# KiCad board MiniCamel_V1.01.kicad_pcb (continued)
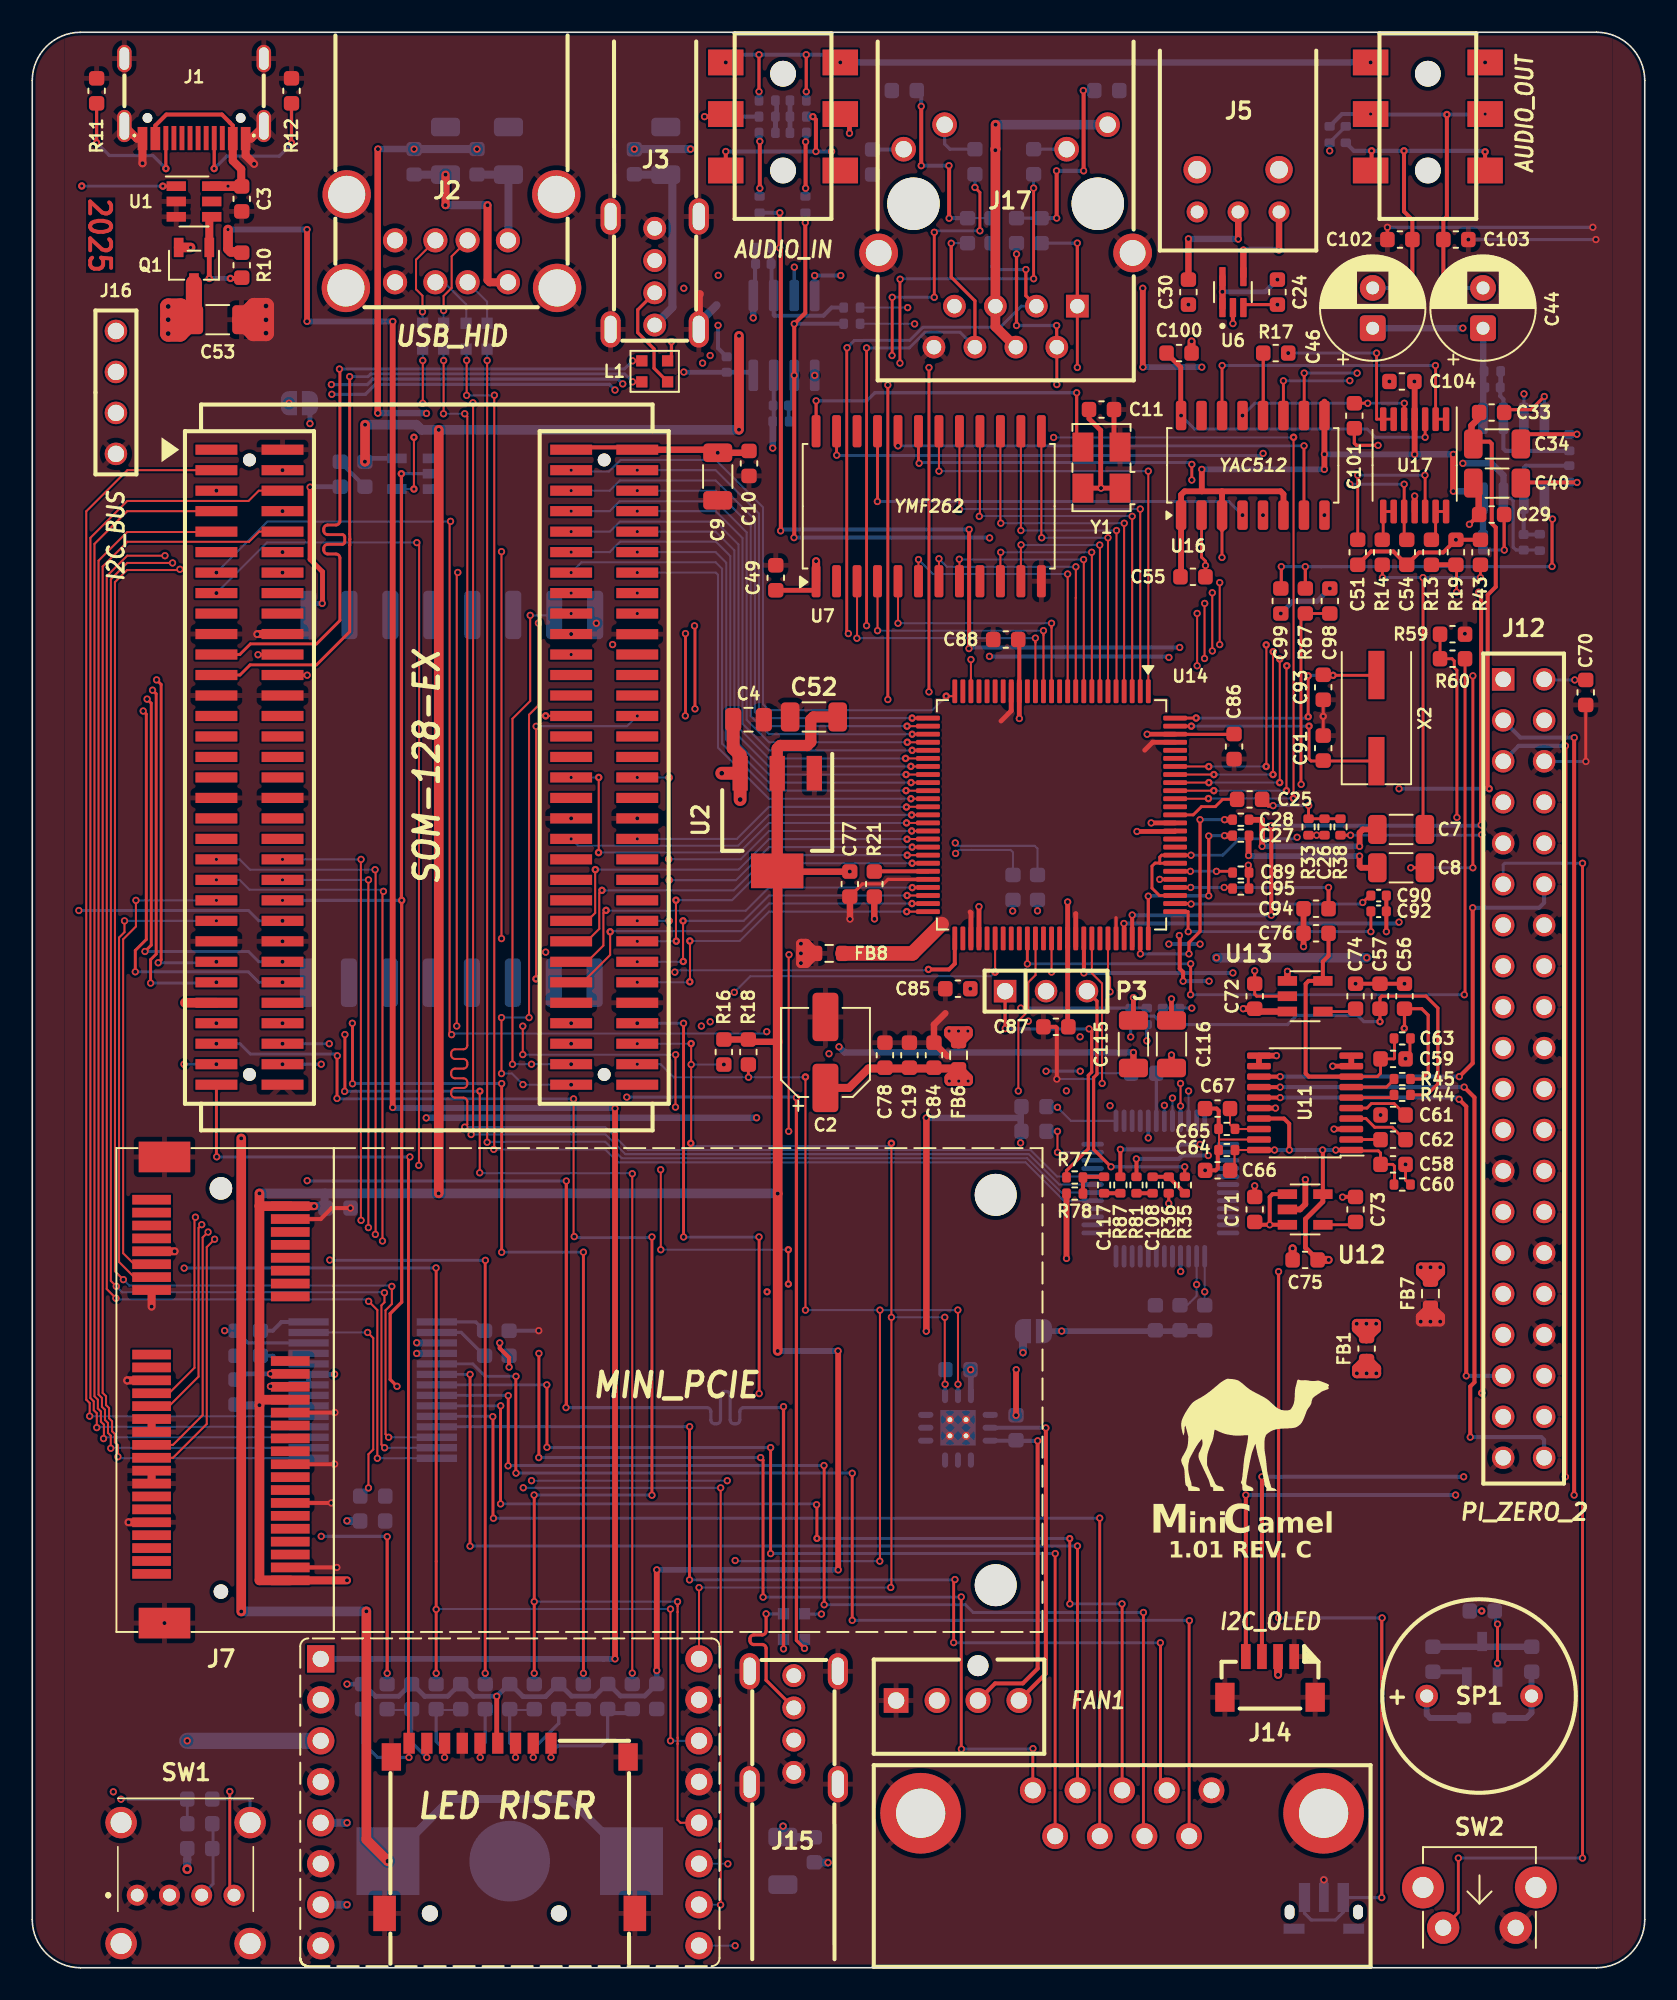
[diagram p0: board, top side]
## Routing (per net, layer and track width the routed paths; a pad name or vN(x,y) marks a point on that pad's centre or on a via; arc(x,y) is an arc through that point) (continued)
AGND: length 169
  Top w0.127: 71.89,100.83 v1(71.9,100.84) ; U11.19 73.6,51.35 ; 73.6,52.01 73.6,50.7
  Top w0.18: v1(85.17,49.81) 85.17,48.83 85.44,48.56 ; U13.2 75.94,60.23 75.81,60.36 C72.2 ; 72.52,89.2 72.52,87.45 72.76,87.21 v1(72.76,86.94) 72.76,86.24 72.75,86.24 ; 79.91,70.25 79.88,70.22 78.92,70.22 79.42,70.22 ; 75.41,66.79 v1(75.41,68.35) 75.43,68.34 75.43,67.9 ; 85.44,57.62 85.44,56.63 v1(85.17,56.36) ; v1(69.92,67.48) U14.80
  Top w0.2: v1(48,116.32) v1(48,118.61) ; C101.2 81.99,94.52 82.12,94.39 v1(83.46,94.39) ; v1(91.29,87.9) 91.28,87.91 91.28,89.97 ; R36.1 v1(70.48,47.39) ; v1(45.07,116.32) v1(45.07,118.61) ; C72.2 v1(75.81,61.81) ; v1(77.22,103.11) 75.11,103.11 U6.3 ; v1(93.77,97.42) 92.95,96.6 91.28,96.6
  Top w0.25: v1(81.26,47.78) 81.28,47.79 82.06,47.79 C73.2 ; R43.1 v1(88.29,88.53) 87.5,87.75 86,87.75 C54.2 84.42,87.81 83.03,87.81 C51.2 ; v1(83.97,64.24) 83.97,66.47 ; C67.1 73.45,53.27 73.58,53.14 73.58,52.03 73.6,52.01 ; v1(72.73,49.44) 73.39,49.44 73.52,49.57 73.52,50.62 73.6,50.7 ; v1(82.06,61.01) v1(85.1,61.01)
  Top w0.3: U11.9 v1(80.65,55.9) ; U11.16 v1(77.1,53.3) ; U11.3 v1(80.73,52) ; C71.2 v1(75.81,48.48)
  Top w0.36: v1(78.95,48.87) 78.95,47.34 78.62,47.01 U12.2 ; R78.1 64.14,43.96 ; v1(77.16,56.55) U11.11 U11.12 ; U17.11 v1(85.73,91.25) ; v1(78.84,63.31) C76.2 C94.2 ; U11.10 U11.9
  Top w0.5: C75.2 78.16,44.6 v1(78.16,44.6) ; 71.89,100.11 71.89,100.83
  Top w0.6: 86.71,42.52 87.32,43.12 v1(87.32,43.43) v1(86.11,43.43) 86.11,43.12 86.71,42.52 ; 86.71,42.52 v1(86.71,43.43)
  In1.Cu w0.2: v1(64.98,57.72) 64.99,57.71 v1(68.12,57.71)
  In1.Cu w0.25: v1(48.52,104.92) 48.51,104.93 v1(42.54,104.93)
  In1.Cu w0.36: 64.16,43.98 66.53,43.98
  In2.Cu w0.2: v1(64.99,55.59) 64.99,57.71 ; v1(62.87,55.59) P3.2
  In2.Cu w0.25: 50.11,104.92 v1(50.11,118.13) ; 42.53,104.92 v1(42.53,101.83)
  Bottom w0.127: R66.2 81.46,114.15 ; C41.1 89.92,87.9 ; v1(93.77,97.42) 93.77,97.41
  Bottom w0.2: R74.1 69.6,59 68.64,59 R25.1 v1(68.12,57.71) ; R76.1 48.01,116.31 v1(48,116.32) ; 81.46,114.15 81.44,114.15 80.46,113.17 R65.2 v1(80.46,112.65) ; 93.77,97.41 U15.4 ; v1(62.87,55.59) v1(64.99,55.59) ; v1(91.29,87.9) 89.92,87.9 ; R27.1 v1(45.07,116.32)
  Bottom w0.25: v1(43.01,118.13) 43.49,118.61 v1(45.07,118.61) v1(48,118.61) 49.63,118.61 v1(50.11,118.13) ; v1(42.53,101.83) 42.53,100.41 C114.1 ; U18.4 48.52,103.68 v1(48.52,104.92) v1(50.14,104.92)
  Bottom w0.3: v1(77.43,83.96) 78.19,84.72 79.67,84.72 v1(80.47,85.51)
  Bottom w0.4: v1(50.11,118.13) v1(83,118.13)
  vias: v1(64.14,43.98) v1(71.7,103.11) v1(79.65,70.22) v1(83.61,52.87) v1(84.17,98.35) v1(90.1,118.13)
GND: length 113.6
  Top w0.127: 18.76,34.42 v1(18.77,34.43) ; 18.74,31.22 v1(18.75,31.23) ; 13.96,82.69 v1(13.95,82.68)
  Top w0.18: v1(96.35,74.79) 96.34,74.8 C70.2 ; C93.1 v2(80.06,77.59) C91.1
  Top w0.2: U14.46 53.07,67.48 52.79,67.2 51.48,67.2 50.71,66.42 v1(50.71,65.02) ; 50.71,66.4 C77.2 ; C102.2 v1(84.04,107.91)
  Top w0.25: J7.34 18.74,31.22 ; J7.40 v1(18.55,28.82) ; v1(63.54,55.1) 63.54,58.27 63.47,58.34 C87.2 ; J7.50 v1(18.89,24.82) ; J7.26 18.76,34.42 ; J7.4 17.89,46.42 18.57,47.1 v1(19.73,47.1)
  Top w0.3: C11.2 67.08,94.81 67.46,94.81 67.31,94.66
  Top w0.4: v1(50.71,65.02) 50.71,66.4 ; 56.75,56.52 55.92,57.35 55.92,58.47 56.62,59.18
  Top w0.5: J7.21 5.9,36.42 v1(5.89,36.41) ; v1(13.76,111.84) 13.23,112.36 13.23,113.41 13.58,113.41 J1.S ; J7.29 J7.27 ; J3.7 41.34,103.71 41.4,103.77 ; J7.35 J7.37 ; v1(6.84,111.88) 6.84,111.88 J1.A12/B1 6.49,113.41 J1.S ; J7.9 v1(8.83,44.42) ; P1.A20 13.96,82.69 ; J7.15 v1(7.4,40.99) ; J7.43 v1(5.97,27.62)
  Top w0.6: v1(47.67,62.89) v1(47.67,62.28) 47.99,62.28 FB8.1 ; v1(47.67,62.89) v1(47.67,63.49) 47.99,63.49 FB8.1 ; v1(47.67,62.89) FB8.1 ; FB7.1 v1(86.71,40.06) ; FB7.1 87.31,40.36 v1(87.31,40.06) v1(86.11,40.06) 86.11,40.36 FB7.1
  Top w1: 12.9,102.17 13.72,101.35 v4(14.49,101.35) v4(14.49,103.03) 13.76,103.03 12.9,102.17 ; 12.9,102.17 v4(14.49,102.17)
  Bottom w0.127: v1(63.54,55.1) 65.72,55.1 66.08,55.46 C39.1 ; C6.2 29.58,39.5 ; 19.1,93.36 C68.2 ; J3.7 41.34,101.98
  Bottom w0.18: C5.2 13.42,10.46 13.51,10.37 SW1.MH3 ; 88.97,18.35 Q4.2 ; J12.6 93.77,74.79 v1(96.35,74.79)
  Bottom w0.2: v1(89.06,107.15) v1(96.97,107.15) ; v1(96.78,107.91) v1(84.04,107.91)
  Bottom w0.25: C38.2 19.1,93.36 ; 29.58,39.5 v1(31.41,39.5)
  Bottom w0.3: C20.2 88.97,18.35
  Bottom w0.5: 41.34,101.98 42.44,103.07 ; SW5.2 v1(80.1,5.45)
  vias: v1(8.2,21.37) v1(15.52,63.64) v1(33.42,82.69) v1(33.42,71.26) v1(37.52,71.26) v1(88.85,82.71)
SGND: length 17.6
  Top w0.2: 67.21,63.32 67.21,65.1
  Top w0.3: 58.21,63.32 58.21,65.41 58.16,65.46 ; U14.97 69.48,75.98 68.99,75.49 ; 60.71,79.64 60.71,77.93 60.08,77.3 ; 64.71,65.35 64.71,65.35 64.71,63.32
  Top w0.9: FB8.2 54.58,62.89 56.4,64.71
VCC: length 114.9
  Top w0.127: 75.98,46.06 C71.1 ; 77.84,61.78 v1(77.84,61.78) ; 10.02,104.45 Q1.2 ; P1.B2 37.44,94.2
  Top w0.18: C70.1 v1(95.66,79.84)
  Top w0.25: 37.44,94.2 37.38,94.26 33.56,94.26 P1.B1 ; U12.1 76.92,47.96 76.74,47.79 v1(76.74,46.06) ; v1(76.74,46.06) 75.98,46.06 ; v1(76.74,46.06) 77.84,46.06
  Top w0.3: C11.1 65.53,96.04 66.26,95.32 66.26,91.74 ; 66.26,91.74 Y1.4 ; 66.26,91.74 v1(66.28,91.74) Y1.1 ; C49.1 48.59,85.4
  Top w0.35: FB6.1 57.45,54.98 v2(57.46,54.97)
  Top w0.4: v1(75.1,59.46) C72.1 75.98,59.28 77.84,59.28 ; P1.B2 42.32,94.12 v1(42.51,93.93) 44.34,93.93 C10.1 ; U13.1 77.84,61.78 ; v1(71.7,107.19) C30.1 ; v1(74.79,107.18) 74.79,108.85 J5.2 ; U6.1 v1(73.81,103.91) U6.5
  Top w0.5: J14.2 v1(77.26,18.16) ; v1(48.61,87.21) U7.1 ; C2.1 50.65,54.55 51.86,55.75 57.44,55.75 FB6.1
  Top w0.6: 82.75,37.76 82.15,37.15 v1(82.15,36.85) v1(83.35,36.85) 83.35,37.15 82.75,37.76 ; 82.75,37.76 v1(82.75,36.85) ; v2(56.87,54.97) 56.87,55.17 FB6.1 58.04,55.15 v2(58.04,54.97) v2(56.87,54.97)
  Top w0.8: U2.3 43.9,75.18 43.47,75.61 C4.1 ; U2.3 v4(43.9,72.43) ; U2.3 v4(42.76,74.06)
  Top w1: C53.1 9.2,103 v4(8.43,103) v4(8.43,101.32) 9.16,101.32 C53.1 ; C53.1 10.02,104.45 ; C53.1 v4(8.43,102.18)
  In2.Cu w1: v1(9.61,14.07) v4(9.61,6.11)
  Bottom w0.127: 49.35,6.52 v1(49.35,6.52)
  Bottom w0.18: v1(95.66,79.84) 93.8,79.84
  Bottom w0.2: U5.26 13.38,38.74 C14.1 11.94,39.49 v1(11.93,39.5)
  Bottom w0.3: v1(73.81,103.91) 76.47,103.91 v1(77.22,104.66) ; U5.22 U5.23 18.74,36.79 v1(18.75,36.8)
  Bottom w0.36: D4.1 86.69,15.49 86.48,15.7 SP1.1
  Bottom w0.4: v1(74.79,107.18) 74.78,107.19 v1(71.7,107.19)
  Bottom w0.5: 9.62,7.34 9.62,6.7 9.61,6.7 v4(9.61,6.11) ; JP3.1 v1(61.44,38.14) ; 48.5,6.52 49.35,6.52 ; v1(40.83,112.76) v1(37.34,112.76)
  Bottom w1: v1(9.61,14.07) J9.3
  vias: v1(15.92,97)
/A0: length 38.9
  Top w0.127: v2(56.68,78.84) 57.21,78.84 57.21,79.64
  Bottom w0.127: v2(33.42,92.85) 33.5,92.77 35.77,92.77 36.49,93.49 42.38,93.49 45.32,90.55 45.32,78.34 45.69,77.97 55.81,77.97 v2(56.68,78.84)
/A1: length 31.5
  Top w0.127: 54.56,77.48 U14.26
  Bottom w0.127: 54.56,77.48 45.69,77.48 45.07,78.1 45.07,90.16 42.38,92.85 v2(37.52,92.85)
  vias: v2(54.57,77.48)
/A2: length 35.7
  Top w0.127: U14.27 v2(54.25,76.98)
  Bottom w0.127: v2(33.42,91.58) 35.81,91.58 36.44,92.21 42.38,92.21 44.81,89.78 44.81,77.86 45.69,76.98 v2(54.25,76.98)
/A3: length 31.2
  Top w0.127: U14.28 54.59,76.48
  Bottom w0.127: 54.59,76.48 45.69,76.48 44.56,77.61 44.56,89.4 42.38,91.58 v2(37.52,91.58)
  vias: v3(54.57,76.48)
/A4: length 35.4
  Top w0.127: U14.29 54.27,75.98 v2(54.27,75.98)
  Bottom w0.127: v2(54.27,75.98) 54.26,75.98 45.69,75.98 44.3,77.36 44.3,88.99 42.38,90.92 36.42,90.92 35.81,90.31 v2(33.42,90.31)
/A5: length 30.9
  Top w0.127: 54.56,75.48 U14.30
  Bottom w0.127: 54.56,75.48 54.56,75.48 45.69,75.48 44.05,77.12 44.05,88.64 42.38,90.31 v2(37.52,90.31)
  vias: v2(54.57,75.48)
/A6: length 35.1
  Top w0.127: v2(54.16,74.98) U14.31
  Bottom w0.127: v2(33.42,89.04) 35.82,89.04 36.44,89.66 42.38,89.66 43.8,88.24 43.8,76.87 45.69,74.98 v2(54.16,74.98)
/A7: length 30.7
  Top w0.127: v2(54.49,74.48) 54.49,74.48 U14.32
  Bottom w0.127: v2(54.49,74.48) 54.49,74.48 45.69,74.48 43.54,76.63 43.54,87.88 42.38,89.04 v2(37.52,89.04)
/A8: length 34.9
  Top w0.127: U14.33 54.19,73.98 v2(54.19,73.98)
  Bottom w0.127: v2(33.42,87.77) 35.81,87.77 36.46,88.42 42.39,88.42 43.29,87.52 43.29,76.38 45.69,73.98 54.19,73.98 v2(54.19,73.98)
/A9: length 30.4
  Top w0.127: U14.34 54.5,73.48 v2(54.5,73.48)
  Bottom w0.127: v2(54.5,73.48) 54.5,73.48 45.69,73.48 43.03,76.13 43.03,87.11 42.38,87.77 v2(37.52,87.77)
/A10: length 34.6
  Top w0.127: v2(54.19,72.98) 54.19,72.98 U14.35
  Bottom w0.127: v2(54.19,72.98) 54.19,72.98 45.7,72.98 42.78,75.9 42.78,86.74 42.38,87.14 34.06,87.14 v2(33.42,86.5)
/A11: length 30.1
  Top w0.127: v2(54.49,72.48) 54.49,72.48 U14.36
  Bottom w0.127: v2(37.52,86.5) 42.39,86.5 42.53,86.36 42.53,75.64 45.69,72.48 53.87,72.48 53.87,72.48 v2(54.49,72.48)
/A12: length 60.4
  Top w0.127: v1(73.64,85.88) v1(73.64,82.04) ; v2(72.96,74.47) 72.95,74.48 U14.94 ; v2(76.52,74.48) 76.54,74.49 76.54,81.98 76.52,81.99 v2(76.52,82.02)
  In1.Cu w0.127: v2(76.52,82.02) 76.52,82.03 76.52,82.04 v1(73.64,82.04) ; v1(73.64,85.88) 36.46,85.88 35.81,85.23 v2(33.42,85.23)
  Bottom w0.127: v2(76.52,74.48) 72.97,74.48 v2(72.96,74.47)
/A13: length 56.8
  Top w0.127: v1(73.18,85.25) 73.18,81.65 v1(73.18,81.64) ; v2(76.94,73.98) 76.94,81.58 v2(76.96,81.6) ; v2(73.28,73.98) 73.28,73.98 U14.93
  In1.Cu w0.127: v2(76.96,81.6) 76.7,81.6 76.7,81.59 76.35,81.59 76.35,81.6 73.83,81.6 73.82,81.59 73.46,81.59 73.45,81.6 73.23,81.6 v1(73.18,81.64) ; v1(73.18,85.25) 73.15,85.22 37.53,85.22 v2(37.52,85.23)
  Bottom w0.127: v2(73.28,73.98) 73.28,73.98 v2(76.94,73.98)
/A14: length 61.8
  Top w0.127: v1(72.7,81.17) 72.7,84.56 72.71,84.57 ; U14.92 v2(72.97,73.48) ; v2(77.36,81.14) 77.33,81.14 77.37,81.11 77.37,73.49 v2(77.36,73.48)
  In1.Cu w0.127: v1(72.7,81.17) 77.33,81.17 v2(77.36,81.14) ; v2(33.42,83.96) 35.81,83.96 36.44,84.59 v1(72.71,84.59)
  Bottom w0.127: v2(77.36,73.48) v2(72.97,73.48)
/A15: length 58.2
  Top w0.127: v2(77.78,72.98) 77.78,80.68 77.8,80.7 v2(77.8,80.72) ; U14.91 v2(73.27,72.98) ; v1(72.24,80.72) v1(72.24,83.97)
  In1.Cu w0.127: v1(72.24,83.97) 72.23,83.96 v2(37.52,83.96) ; v2(77.8,80.72) v1(72.24,80.72)
  Bottom w0.127: v2(73.27,72.98) v2(77.78,72.98)
/AEN: length 27.6
  Top w0.127: v2(54.22,70.98) U14.39 ; v2(35.12,69.14) 35.13,69.15 v2(35.13,73.8)
  Bottom w0.127: v2(35.13,73.8) v2(33.42,73.8) ; v2(54.22,70.98) 45.69,70.98 43.86,69.15 35.13,69.15 v2(35.12,69.14)
/AUDIO_VREF: length 87.3
  Top w0.2: v1(77.46,86.87) 77.46,85.54 77.43,85.51 ; v1(94.25,86.88) 94.25,89.79 v1(94.28,89.82) ; v1(78.95,86.87) 78.95,85.51
  In1.Cu w0.2: 48.59,98.66 69.81,98.66 70.89,97.58 v1(92.51,97.58)
  In2.Cu w0.2: v1(92.51,97.58) 92.51,94.23 93.78,92.96 93.78,90.32 v1(94.28,89.82) ; v1(47.26,105.44) 47.26,102.93 48.53,101.66 v1(48.53,98.73)
  Bottom w0.2: v1(94.28,89.82) 93.77,90.32 U15.5 ; v1(92.51,97.58) 92.51,96.07 92.51,96.06 ; v1(47.26,105.44) 47.25,105.43 47.25,103.68 ; v1(77.46,86.87) v1(78.95,86.87) 79.93,86.87 79.94,86.87 94.24,86.87 v1(94.25,86.88)
/CTS1: length 79.5
  Top w0.127: v1(5.31,31.68) 5.31,32.02 5.31,32.03 5.31,32.39 5.12,32.58 5.12,33.09 4.95,33.26 4.95,33.88 4.76,34.07 4.76,34.7 4.58,34.89 4.58,35.43 4.37,35.64 4.37,86.88 5.9,88.41 13.44,88.41 14.07,89.04 P1.A10
  Bottom w0.127: v1(5.31,31.68) 5.41,31.59 U5.15
/D0: length 25.8
  Top w0.127: v2(54.25,69.97) 54.26,69.98 U14.41 ; v2(34.92,68.08) 34.91,68.07 34.91,65.4 34.42,64.91 P1.B47
  Bottom w0.127: v2(54.25,69.97) 54.24,69.98 45.69,69.98 43.79,68.08 v2(34.92,68.08)
/D1: length 21.4
  Top w0.127: v2(39.5,67.43) v2(39.5,64.91) ; v2(54.57,69.48) U14.42
  Bottom w0.127: v2(39.5,67.43) 43.64,67.43 45.69,69.48 v2(54.57,69.48) ; v2(39.5,64.91) v2(37.52,64.91)
/D2: length 25.6
  Top w0.127: v2(35.33,66.8) 35.16,66.63 35.16,64.41 34.39,63.64 P1.B49 ; v2(54.26,68.98) U14.43
  Bottom w0.127: v2(54.26,68.98) 45.69,68.98 43.51,66.8 v2(35.33,66.8)
/D3: length 21.6
  Top w0.127: v2(54.57,68.48) U14.44 ; v2(39.92,66.19) 39.92,63.67 v2(39.94,63.65)
  Bottom w0.127: v2(39.92,66.19) 43.4,66.19 45.69,68.48 v2(54.57,68.48) ; v2(39.94,63.65) 39.6,63.65 39.59,63.64 v2(37.52,63.64)
/D4: length 25.2
  Top w0.127: U14.47 54.59,66.98 v2(54.58,66.97) ; P1.B51 34.41,62.37 35.42,63.38 35.42,65.39 v2(35.58,65.56)
  Bottom w0.127: v2(35.58,65.56) 35.61,65.54 44.25,65.54 45.68,66.97 v2(54.58,66.97)
/D5: length 21.2
  Top w0.127: v2(40.37,62.39) 40.36,62.4 v2(40.36,64.91) ; v2(54.25,66.48) 54.25,66.48 U14.48
  Bottom w0.127: v2(40.36,64.91) 44.12,64.91 45.69,66.48 54.25,66.48 v2(54.25,66.48) ; v2(37.52,62.37) 40.35,62.37 v2(40.37,62.39)
/D6: length 25
  Top w0.127: v2(54.56,65.98) U14.49 ; P1.B53 34.15,61.1 35.84,62.79 v2(35.84,64.23)
  Bottom w0.127: v2(54.56,65.98) 54.56,65.98 45.69,65.98 43.98,64.27 35.88,64.27 v2(35.84,64.23)
/D7: length 21.3
  Top w0.127: v2(40.78,63.66) 40.79,63.65 40.79,61.14 v2(40.78,61.13) ; U14.50 v2(54.23,65.48)
  Bottom w0.127: v2(40.78,61.13) 40.75,61.1 v2(37.52,61.1) ; v2(54.23,65.48) 45.69,65.48 43.87,63.66 v2(40.78,63.66)
/DCD1: length 78.9
  Top w0.127: P1.A3 5.9,92.85 3.35,90.3 3.35,35.22 3.56,35.01 v1(3.56,34.2)
  Bottom w0.127: v1(3.56,34.2) 3.57,34.19 U5.19
/DRQ1: length 43.9
  Top w0.127: P1.B27 31.85,77.61 v2(31.84,77.62)
  Top w0.25: v2(55.58,61.9) 56.86,61.9 57.21,62.25 U14.51
  In1.Cu w0.127: v1(31.84,62.97) 35.42,62.97 36.67,61.72 39.84,61.72 v1(39.85,61.73)
  In2.Cu w0.127: v2(31.84,77.62) v1(31.84,62.97)
  Bottom w0.127: v1(39.85,61.73) 39.96,61.84 55.53,61.84 v2(55.58,61.9)
/DSR1: length 75.7
  Top w0.127: v1(4.87,32.21) 4.87,32.98 4.7,33.16 4.7,33.78 4.51,33.96 4.51,34.59 4.32,34.78 4.32,35.33 4.11,35.54 4.11,87.24 5.89,89.02 11.4,89.02 P1.A9
  Bottom w0.127: U5.16 4.9,32.24 v1(4.87,32.21)
/DTR1: length 87
  Top w0.127: v1(22.1,32.89) 21.91,33.08 21.91,40.76 22.3,41.15 v1(22.3,42.24) ; v1(5.65,42.66) 5.13,43.18 5.13,85.91 5.88,86.66 9.11,86.66 v1(9.16,86.7)
  In2.Cu w0.127: v1(15.52,90.31) 9.57,90.31 9.15,89.89 9.15,86.71 v1(9.16,86.7)
  Bottom w0.127: U5.12 v1(22.1,32.89) ; v1(5.65,42.66) 6.02,42.29 22.25,42.29 v1(22.3,42.24)
/FM_A0: length 16.6
  Top w0.127: 62.71,79.64 62.71,82.64 62.71,82.64 v1(62.71,82.9) ; v1(52.42,82.9) U7.4
  Bottom w0.127: v1(52.42,82.9) v1(62.71,82.9)
/FM_A1: length 15.8
  Top w0.127: v1(63.21,83.36) 63.21,83.08 63.21,83.08 63.21,79.64 ; v1(53.69,83.36) U7.5
  Bottom w0.127: v1(63.21,83.36) v1(53.69,83.36)
/FM_D0: length 15.6
  Top w0.127: v1(60.06,87.76) 60.04,87.74 U7.10 ; 65.71,79.64 65.71,87.75 v1(65.7,87.76)
  Bottom w0.127: v1(65.7,87.76) v1(60.06,87.76)
/FM_D1: length 15.7
  Top w0.127: v1(66.2,88.21) 66.21,88.2 66.21,79.64 ; U7.11 61.31,88.21 v1(61.32,88.22)
  Bottom w0.127: v1(61.32,88.22) 61.33,88.21 v1(66.2,88.21)
/FM_D2: length 19.7
  Top w0.127: v1(66.71,88.66) 66.71,88.66 66.71,79.64 ; U7.13 62.58,88.68 v1(62.6,88.66)
  Bottom w0.127: v1(66.71,88.66) v1(62.6,88.66)
/FM_D3: length 21.6
  Top w0.127: 67.21,79.64 67.24,79.67 v1(67.24,89.11) ; v1(61.31,89.11) U7.14
  Bottom w0.127: v1(67.24,89.11) v1(61.31,89.11)
/FM_D4: length 23.3
  Top w0.127: v1(67.72,89.56) 67.71,89.55 67.71,79.64 ; v1(60.06,89.56) 60.04,89.59 U7.15
  Bottom w0.127: v1(67.72,89.56) 60.07,89.56 v1(60.06,89.56)
/FM_D5: length 25.1
  Top w0.127: U7.16 58.77,90.03 v1(58.73,89.99) ; 68.21,79.64 68.21,89.99 v1(68.21,89.99)
  Bottom w0.127: v1(58.73,89.99) 58.75,90.01 68.19,90.01 v1(68.21,89.99)
/FM_D6: length 26.9
  Top w0.127: v1(57.5,90.42) U7.17 ; 68.71,79.64 68.71,90.44 v1(68.71,90.44)
  Bottom w0.127: v1(57.5,90.42) 57.52,90.44 v1(68.71,90.44)
/FM_D7: length 28.6
  Top w0.127: 69.21,79.64 69.21,92.79 v1(69.21,92.79) ; v1(56.23,92.79) U7.18
  Bottom w0.127: v1(69.21,92.79) v1(56.23,92.79)
/FM_SYNTH_L: length 9.9
  Top w0.36: C8.2 82.42,68.2 82.31,68.3 v1(82.31,68.92) ; 75.44,70.18 75.43,70.19 v1(75.43,68.96)
  Bottom w0.36: v1(82.31,68.92) 75.47,68.92 v1(75.43,68.96)
/FM_SYNTH_R: length 10.5
  Top w0.36: v1(76.27,69.53) 76.27,71.17 75.44,71.17 ; C7.2 82.52,70.57 82.31,70.37 v1(82.31,69.53)
  Bottom w0.36: v1(76.27,69.53) v1(82.31,69.53)
/HID_VCC: length 149.1
  Top w0.4: v1(21.44,112.76) 21.42,112.74 21.42,96.4 v1(21.43,96.39) ; v1(55.44,39.47) 55.45,39.48 55.45,52.68 v1(55.44,52.69)
  In1.Cu w0.25: v1(69.21,51.45) 67.44,51.45 67.13,51.14 v1(61.29,51.14)
  In1.Cu w0.36: v1(55.44,39.47) 55.45,39.47 v1(63.84,39.47)
  In1.Cu w0.4: v1(44.92,52.7) 55.43,52.7
  In2.Cu w0.4: v1(24.43,52.69) 24.43,96.35 v1(24.45,96.37)
  Bottom w0.127: 62.75,39.47 JP3.2
  Bottom w0.25: v1(61.29,51.14) 61.29,51.85 61.3,51.86 ; v1(69.21,51.45) U9.41
  Bottom w0.36: 72.71,39.47 v1(63.84,39.47) 62.75,39.47
  Bottom w0.4: 61.3,52.7 61.28,52.69 v1(55.44,52.69) ; 61.3,52.7 61.3,53.39 ; 61.3,52.7 61.3,51.86 ; v1(21.43,96.39) 24.43,96.39 v1(24.45,96.37) ; v1(24.43,52.69) 24.44,52.7 v1(44.92,52.7) ; v1(23.68,112.76) 23.68,112.76 v1(21.44,112.76)
  Bottom w0.5: v1(27.58,112.76) v1(23.68,112.76)
/I2S_BCLK: length 28.9
  Top w0.25: v1(89.33,65.72) 89.33,56.08 v1(88.5,55.25) ; U11.13 v1(77.39,55.25)
  Bottom w0.25: v1(89.33,65.72) 93.45,65.72 93.76,66.03 J12.12 ; v1(77.39,55.25) v1(88.5,55.25)
/I2S_DATA: length 40.6
  Top w0.25: U11.14 v1(77.39,54.6) ; v1(89.18,32.9) 89.18,36.04 89.44,36.3 89.44,53.96 v1(88.8,54.6)
  Bottom w0.25: J12.40 93.76,32.73 93.59,32.9 v1(89.18,32.9) ; v1(88.8,54.6) v1(77.39,54.6)
/I2S_LRCLK: length 32.1
  Top w0.25: v1(88.93,36.7) 88.93,53.4 v1(88.48,53.84) ; U11.15 v1(77.39,53.95)
  Bottom w0.25: v1(88.93,36.7) J12.35 ; v1(88.48,53.84) 88.38,53.95 v1(77.39,53.95)
/IOCHRDY: length 23.9
  Top w0.127: U14.40 54.54,70.48 v2(54.54,70.48) ; v2(39.47,68.73) 39.47,73.76 v2(39.5,73.79)
  Bottom w0.127: v2(39.47,68.73) 43.94,68.73 45.69,70.48 54.54,70.48 v2(54.54,70.48) ; v2(37.52,73.8) 39.49,73.8 v2(39.5,73.79)
/IRQ7: length 26.4
  Top w0.127: v1(58.21,81.11) 58.21,79.64
  In1.Cu w0.127: v2(33.42,81.42) 35.36,81.42 35.67,81.11 v1(58.21,81.11)
/JAB1: length 14.3
  Top w0.127: v1(66.84,60.51) 66.84,61.39 66.71,61.52 66.71,63.32
  In1.Cu w0.127: v1(70.21,53.47) 66.86,53.47 v1(66.84,53.45)
  In2.Cu w0.127: v1(66.84,60.51) v1(66.84,53.45)
  Bottom w0.127: v1(70.21,53.47) U9.43
/JAB2: length 20.6
  Top w0.127: 62.21,63.32 62.22,63.31 62.22,61.55 61.77,61.1 61.77,59.32 61.15,58.7 61.15,54.36 v1(61.15,54.36)
  In1.Cu w0.127: v1(61.15,54.36) 63.4,54.36 63.84,53.92 v1(70.71,53.92)
  Bottom w0.127: U9.44 v1(70.71,53.92)
/JACX: length 15.9
  Top w0.127: v1(71.21,53.43) v1(71.21,54.83) ; 65.71,63.32 65.71,61.66 66.34,61.03 66.34,54.84 v1(66.35,54.83)
  In1.Cu w0.127: v1(66.35,54.83) v1(71.21,54.83)
  Bottom w0.127: U9.45 v1(71.21,53.43)
/JACY: length 18.8
  Top w0.127: v1(63.21,61.73) 63.21,63.32
  In1.Cu w0.127: v1(71.71,54.36) 71.7,54.37 v1(64.13,54.37)
  In2.Cu w0.127: v1(63.21,61.73) 64.13,60.81 v1(64.13,54.37)
  Bottom w0.127: v1(71.71,54.36) U9.46
/KBCLK: length 87.6
  Top w0.127: v1(29.1,63.81) v1(29.1,87.8) ; v1(46.91,51.86) 46.91,62.79 v1(46.93,62.81) ; v1(63.58,51.86) v1(63.58,50.56)
  In1.Cu w0.127: v1(46.93,62.81) 46.93,62.81 37.75,62.81 36.76,63.81 29.72,63.81 29.72,63.81 v1(29.1,63.81) ; v1(29.1,87.8) 29.07,87.77 v1(15.52,87.77) ; v1(46.91,51.86) v1(63.58,51.86)
  Bottom w0.127: v1(63.58,50.56) U9.35 ; 62.95,51.86 v1(63.58,51.86)
/KBDATA: length 85.9
  Top w0.127: v1(39.9,56.61) 39.89,56.6 v1(39.89,53.36) ; v1(26.32,58.39) 26.32,86.44 v1(26.39,86.51) ; v1(30.42,58.38) v1(30.42,56.62)
  In1.Cu w0.127: 63.57,53.35 39.9,53.35 v1(39.89,53.36) ; v1(26.39,86.51) 26.38,86.5 v1(15.52,86.5) ; v1(26.32,58.39) 26.33,58.38 v1(30.42,58.38)
  Bottom w0.127: v1(63.58,53.35) 62.98,53.35 62.95,53.39 ; v1(39.9,56.61) 30.43,56.61 v1(30.42,56.62) ; 63.57,53.35 64.41,52.51 U9.37
/LAN_RX+: length 112.1
  Top w0.18: v1(6.39,61.75) 6.39,63.07 7.07,63.75 7.07,77.73 v1(6.88,77.92) ; v1(50.53,100.44) 50.51,100.42 50.51,82.82 v1(50.61,82.72) ; v1(40.5,77.62) 40.51,77.63 40.51,82.72 v1(40.51,82.72)
  Top w0.2: J17.3 61.62,103.67 v1(61.62,105.29)
  In1.Cu w0.18: v1(40.5,77.62) 40.5,78.09 40.41,78.18 7.14,78.18 v1(6.88,77.92) ; v1(40.51,82.72) v1(50.61,82.72)
  Bottom w0.18: v1(6.39,61.75) 13.4,61.75 14.05,61.1 v1(15.52,61.1) ; v1(50.53,100.44) 50.98,100.89 51.54,100.89 51.55,100.9 54.42,100.9 55.23,101.71 60.03,101.71 61.34,103.02 J17.3
  Bottom w0.2: R23.2 59.52,105.46 59.69,105.29 v1(61.62,105.29)
/LAN_RX-: length 107.8
  Top w0.18: v1(41.07,83.2) 41.1,83.17 v1(41.1,78.05) ; v1(6.99,63.01) 7.38,63.4 7.38,78.4 v1(7.12,78.66) ; v1(51.74,83.21) v1(51.74,100.43)
  Top w0.2: J17.6 58.46,103.35 56.99,104.82 v1(56.99,106.92)
  In1.Cu w0.18: v1(51.74,83.21) 51.73,83.2 v1(41.07,83.2) ; v1(41.1,78.05) 41.1,78.36 40.97,78.49 7.29,78.49 v1(7.12,78.66)
  Bottom w0.127: v1(56.99,106.92) 57,106.92 R22.2
  Bottom w0.18: v1(6.99,63.01) 13.41,63.01 14.05,62.37 v1(15.52,62.37) ; v1(51.74,100.43) 54.39,100.43 55.36,101.4 57.54,101.4 J17.6
/LAN_TX+: length 109.5
  Top w0.18: v1(7.46,79.21) 7.69,78.98 7.69,62.85 7.34,62.5 v1(7.34,61.05) ; v1(63.54,98.16) J17.2 ; v1(53.06,78.63) v1(53.06,98.13)
  Top w0.2: J17.2 63.53,100.49 v1(63.53,101.82) ; v1(61.04,106.25) v1(61.04,101.82)
  In1.Cu w0.18: v1(7.46,79.21) 7.87,78.8 52.89,78.8 v1(53.06,78.63) ; v1(63.54,98.16) 53.15,98.16
  Bottom w0.18: v1(11.42,61.1) 11.37,61.05 v1(7.34,61.05)
  Bottom w0.2: v1(61.04,101.82) v1(63.53,101.82) ; R28.2 v1(61.04,106.25)
/LAN_TX-: length 108.8
  Top w0.18: v1(7.81,62.31) 7.99,62.49 7.99,79.57 v1(7.71,79.85) ; v1(55.61,79.1) v1(55.61,99.21) ; v1(64.81,99.22) J17.1
  Top w0.2: v1(64.81,106.93) J17.1
  In1.Cu w0.18: v1(55.61,99.21) 64.8,99.21 ; v1(55.61,79.1) 8.46,79.1 v1(7.71,79.85)
  Bottom w0.18: v1(7.81,62.31) 11.36,62.31 v1(11.42,62.37)
  Bottom w0.2: v1(64.81,106.93) 64.81,106.92 R29.2
/LINE_IN_CS_L: length 14.3
  Top w0.3: v1(69.39,70.98) U14.87 ; C116.2 v1(70.65,60.07)
  In2.Cu w0.3: v1(70.65,60.07) 70.65,61.84 69.96,62.53 69.96,66.63 69.39,67.2 v1(69.39,70.98)
/LINE_IN_CS_R: length 15
  Top w0.3: v1(68.51,70.45) 70.84,70.45 U14.86 ; v1(68.29,60.15) C115.2
  In2.Cu w0.3: v1(68.29,60.15) 69.47,61.33 69.47,65.32 68.51,66.28 v1(68.51,70.45)
/LINE_IN_L: length 11.8
  Top w0.25: v3(48.41,114.77) 48.6,114.58 v1(48.6,112.61) ; v1(43.01,112.61) J10.T ; v1(49.57,112.61) 49.57,111.97 J10.T
  Bottom w0.25: R75.1 v3(48.41,114.77) ; v1(49.57,112.61) v1(48.6,112.61) v1(43.01,112.61)
/LINE_IN_R: length 15.6
  Top w0.25: v1(41.69,114.77) 42.85,114.77 J10.R
  Top w0.3: J10.R 50.68,114.36 v1(50.68,113.74)
  In1.Cu w0.3: v1(50.68,113.74) 46.74,113.74 45.71,114.77 v1(41.69,114.77)
  Bottom w0.25: v1(41.69,114.77) R26.1
/LINE_OUT_CS_L: length 51.1
  Top w0.25: v1(89.7,85.28) 89.85,85.14 v1(89.85,70.85) ; v1(89.13,89.49) C29.2 ; v1(68.21,65.27) 68.21,63.32 ; v1(76.84,70.81) v1(76.84,65.26)
  Top w0.4: C29.2 89.7,90.13 89.7,91.71 C40.1
  In2.Cu w0.25: v1(89.13,89.49) 89.04,89.41 89.04,85.95 v1(89.7,85.28)
  Bottom w0.25: v1(89.85,70.85) 89.81,70.81 v1(76.84,70.81) ; v1(76.84,65.26) 76.83,65.25 68.23,65.25 v1(68.21,65.27)
/LINE_OUT_CS_R: length 57.1
  Top w0.25: v3(90.36,73.1) 90.26,73.2 90.26,85.12 90.76,85.62 90.76,89.3 90.51,89.55 90.51,94.49 90.38,94.62 89.78,94.62 ; v1(67.7,64.74) 67.71,64.73 67.71,63.32
  Top w0.4: 89.26,94.62 89.26,95.61 89.73,96.09 89.73,96.6
  In2.Cu w0.25: v1(84.76,64.83) v1(84.76,73.1)
  Bottom w0.25: v1(84.76,64.83) 84.68,64.74 v1(67.7,64.74) ; v1(84.76,73.1) v3(90.36,73.1)
/MIDI_AUDIO_L: length 25
  Top w0.2: v2(83.58,58.66) C57.2 83.58,60.13 83.69,60.24 86.43,60.24 87.17,59.5 87.17,54.8 86.49,54.12 85.44,54.12
  Bottom w0.2: R73.1 77.84,58.48 78.41,59.05 82.19,59.05 82.58,58.66 v2(83.58,58.66)
/MIDI_AUDIO_R: length 25
  Top w0.2: 85.44,55.1 86.15,55.1 86.57,55.52 86.57,59.06 86.17,59.46 C56.2 85.1,58.25 v2(85.09,58.24)
  In1.Cu w0.2: v2(85.09,58.24) 83.95,58.24 83.18,57.47 v1(69.12,57.47)
  Bottom w0.2: v1(69.12,57.47) R24.1
/MIDI_OUT: length 51
  Top w0.18: v1(71.83,60.33) 71.83,60.45 71.84,60.46 v1(71.84,62.24) ; R60.1 88.86,60.37 v1(88.81,60.33) ; v1(61.71,62.24) 61.71,63.32
  Bottom w0.18: v1(61.71,62.24) 61.72,62.24 v1(71.84,62.24) ; v1(71.83,60.33) v1(88.81,60.33)
/MSCLK: length 113.7
  Top w0.127: v1(26,57.85) 25.88,57.98 25.88,89.62 v1(25.94,89.68)
  In1.Cu w0.127: v3(45.57,41.91) v1(72.71,41.91)
  In2.Cu w0.127: v3(45.57,41.91) 45.55,41.93 v1(45.55,58.04)
  Bottom w0.127: v1(11.42,86.5) 14.58,89.66 25.92,89.66 v1(25.94,89.68) ; v1(45.55,58.04) 45.55,57.93 45.54,57.92 26.07,57.92 v1(26,57.85) ; U9.13 72.71,41.12
/MSDATA: length 111.6
  Top w0.127: v1(38.97,49.48) 38.98,49.47 v1(38.98,44.52) ; v1(23.85,88.36) 23.99,88.22 23.99,75.47 23.98,75.46 23.98,49.76 v1(23.97,49.75) ; v3(46.89,42.39) v3(46.89,44.52)
  In1.Cu w0.127: v1(72.21,42.36) 46.92,42.36 v3(46.89,42.39) ; v1(23.97,49.75) 38.7,49.75 v1(38.97,49.48)
  Bottom w0.127: U9.14 72.21,41.66 71.79,41.24 71.79,41.24 71.67,41.12 71.18,41.12 ; v1(11.42,85.23) 14.56,88.37 23.84,88.37 v1(23.85,88.36) ; v3(46.89,44.52) v1(38.98,44.52)
/PE0_CLK+: length 29.4
  Top w0.127: J7.13 6.32,42.82 5.38,43.76 5.38,63.87 5.72,64.21 v1(5.72,64.91)